# KiCad board mekanical HS.kicad_pcb (continued)
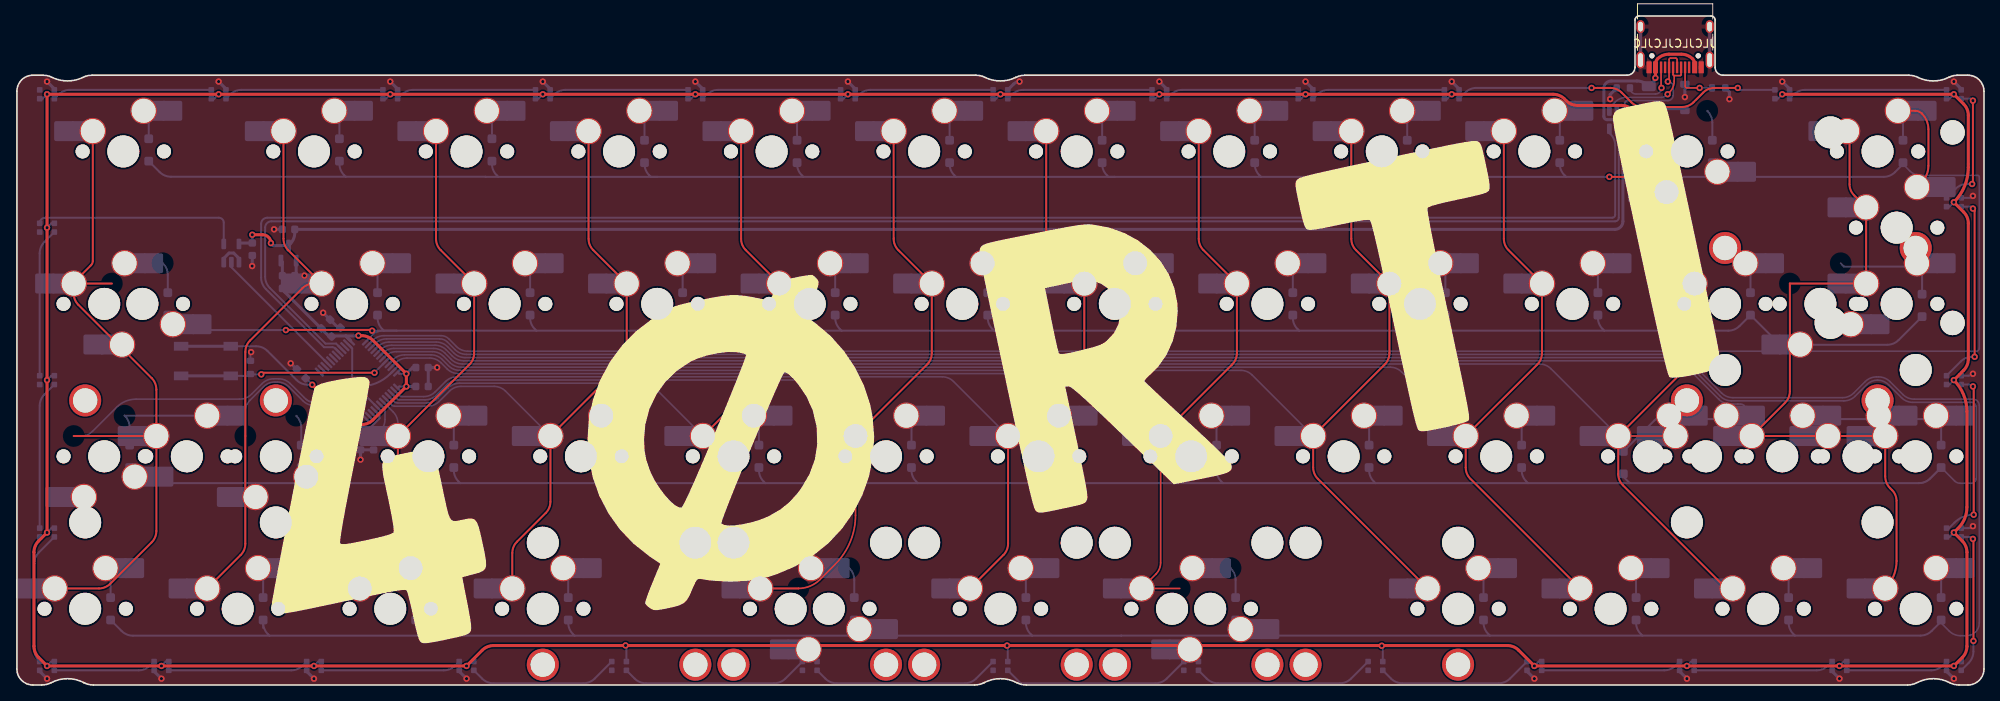
[diagram p0: board, top side]
## Routing (per net, layer and track width the routed paths; a pad name or vN(x,y) marks a point on that pad's centre or on a via; arc(x,y) is an arc through that point)
+3V3: length 74.2
  Top w0.381: v1(42.66,43.66) 43.04,43.66 arc(43.81,43.5) 44.46,43.07 v1(48.64,38.89) v1(48.64,37.31) 44.46,33.13 arc(43.81,32.7) 43.04,32.54 v1(42.66,32.54) arc(41.92,32.69) 41.3,33.11 v1(36.88,37.52)
  Bottom w0.25: v1(36.88,37.52) 37.31,37.1 U3.24 ; v1(36.88,37.52) 36.34,37.52 arc(35.58,37.67) 34.93,38.11 31.29,41.75 arc(30.64,42.18) 29.88,42.33 SW2.1 ; v1(36.88,37.52) C5.1 ; v1(42.66,32.54) 42.66,31.19 C8.1 45.28,33.31 45.28,33.7 U3.9 ; U3.48 47.75,38.89 v1(48.64,38.89) ; v1(48.64,37.31) 47.75,37.31 U3.1
  Bottom w0.381: SW2.1 SW2.1 ; v1(48.64,37.31) C9.1 ; C7.1 49.41,39.67 v1(48.64,38.89) ; 41.08,43.62 41.66,43.05 ; 41.08,43.62 41.69,43.02 ; 41.08,43.62 42.62,43.62 v1(42.66,43.66) ; 41.08,43.62 39.37,43.62 C6.1 39,43.55 33.15,49.4 C3.1 33.15,49.56 C2.2 33.15,52.86 U2.2
+5V: length 846.9
  Top w0.381: v1(202.99,70.64) 201.79,71.84 arc(201.15,72.28) 200.38,72.43 194.89,72.43 arc(194.13,72.58) 193.48,73.01 193.26,73.23 arc(192.61,73.67) 191.85,73.82 v1(179.18,73.82) v1(3.76,73.82) v1(3.76,57.15) v1(3.76,38.1) v1(3.76,19.05) 2.72,18 arc(2.28,17.35) 2.13,16.59 2.13,4.84 arc(2.28,4.08) 2.72,3.43 v1(3.76,2.38) v1(56.15,2.38) 58.11,4.34 arc(58.76,4.78) 59.53,4.93 186.12,4.93 arc(186.89,4.78) 187.54,4.34 v1(189.5,2.38) v1(241.89,2.38) 242.93,3.43 arc(243.37,4.08) 243.52,4.84 243.52,16.59 arc(243.37,17.35) 242.93,18 v1(241.89,19.05) 242.43,19.59 arc(243.24,20.8) 243.52,22.23 243.52,34.16 arc(243.1,36.29) v1(241.89,38.1) 243.11,39.32 arc(243.54,39.97) 243.69,40.73 243.69,57.69 arc(243.54,58.46) 243.11,59.11 v1(241.89,60.33) arc(243.22,62.32) 243.69,64.68 243.69,65.09 ; 243.69,65.15 243.69,71.18 arc(243.54,71.95) 243.11,72.6 v1(241.89,73.82) v1(220.46,73.82) ; v1(29.4,56.27) 30.68,56.27 arc(31.42,55.96) v1(31.72,55.22)
  Bottom w0.25: LED15.1 241.34,18.5 v1(241.89,19.05) ; LED29.1 209.1,2.93 v1(208.55,2.38) ; v1(122.83,73.82) 122.28,73.27 LED23.1 ; v1(189.5,2.38) 190.05,2.93 LED12.1 ; LED1.1 4.31,57.7 v1(3.76,57.15) ; LED20.1 178.63,73.27 v1(179.18,73.82) ; v1(65.68,73.82) 65.13,73.27 LED25.1 ; LED16.1 241.34,37.55 v1(241.89,38.1) ; v1(241.89,2.38) 242.44,2.93 LED14.1 ; v1(142.67,73.82) 142.12,73.27 LED22.1 ; LED8.1 76.12,4.84 v1(76.01,4.94) ; v1(3.76,38.1) 4.31,38.65 LED2.1 ; LED17.1 241.34,59.78 v1(241.89,60.33) ; v1(3.76,73.82) 3.21,73.27 LED27.1 ; v1(99.82,4.9) 99.93,4.8 LED9.1 ; LED10.1 147.55,4.83 v1(147.47,4.92) ; v1(37.1,2.38) 37.65,2.93 LED6.1 ; LED28.1 123.74,4.83 v1(123.65,4.92) ; v1(3.76,2.38) 4.31,2.93 LED4.1 ; v1(241.89,73.82) 241.34,73.27 LED18.1 ; v1(56.15,2.38) 56.7,2.93 LED7.1 ; LED30.1 103.23,73.27 v1(103.78,73.82) ; v1(46.63,73.82) 46.08,73.27 LED26.1 ; LED21.1 160.38,73.27 v1(160.93,73.82) ; v1(227.6,2.38) 228.15,2.93 LED13.1 ; v1(18.05,2.38) 18.6,2.93 LED5.1 ; v1(25.19,73.82) 24.64,73.27 LED31.1 ; v1(170.44,4.9) 170.57,4.78 LED11.1 ; v1(84.73,73.82) 84.18,73.27 LED24.1 ; v1(3.76,19.05) 4.31,19.6 LED3.1 ; v1(220.46,73.82) 219.91,73.27 LED19.1
  Bottom w0.381: D_PWR1.1 208.05,72.03 F1.2 203.58,72.03 203.58,72.02 arc(203.15,71.37) 202.99,70.61 ; 27.73,55.11 27.84,55.23 C12.2 29.39,56.27 arc(29.39,56.27) v1(29.4,56.27) ; v1(202.99,70.64) arc(202.85,69.91) 202.43,69.29 201.15,68 arc(200.71,67.35) 200.56,66.59 200.56,57.94 arc(200.26,57.23) 199.55,56.94 C1.2 34.7,56.52 arc(34.55,55.75) 34.11,55.1 U2.3 32.03,54.91 arc(31.82,55) v1(31.72,55.22)
GND: length 93.1
  Bottom w0.2: U3.47 46.65,38.91
  Bottom w0.25: 42.38,37.32 42.52,37.17 ; 42.38,37.32 42.84,37.32 arc(44.88,37.72) 46.62,38.88 U3.47 ; 42.38,37.32 40.28,37.32 ; 42.52,37.17 U3.8 ; 42.52,37.17 43.1,36.6 43.1,36.59 ; LED17.3 244.03,60.88 v1(244.27,61.12) ; U3.23 38.69,37.32 40.28,37.32 ; 40.28,37.32 40.28,37.31 v1(41.21,37.31) arc(41.7,38.04) 41.87,38.9 41.87,42.07 U3.35 ; v1(29.25,41.6) 29.16,41.51 R6.2 ; LED16.3 243.68,38.65 arc(244,38.71) v1(244.27,38.89) ; LED15.3 243.68,19.6 arc(244,19.66) v1(244.27,19.84)
  Bottom w0.381: v1(56.15,0.79) 55.32,1.62 arc(55.26,1.72) LED7.3 ; v1(84.73,75.41) 85.55,74.58 arc(85.62,74.48) LED24.3 ; v1(227.6,0.79) 226.77,1.62 arc(226.71,1.72) LED13.3 ; v1(3.76,75.41) 4.59,74.58 arc(4.65,74.48) LED27.3 ; v1(25.19,75.41) 26.02,74.58 arc(26.09,74.48) LED31.3 ; C6.2 40.12,44.65 C4.2 39.11,45.65 v1(38.24,46.52) ; v1(103.78,75.41) 104.6,74.58 arc(104.67,74.48) LED30.3 ; C3.2 34.7,49.56 C2.1 ; v1(201.41,70.64) 200.48,70.64 199.82,69.98 U1.2 ; J2.S1 J2.S1 ; v1(37.1,0.79) 36.27,1.62 arc(36.21,1.72) LED6.3 ; v1(220.46,75.41) 221.28,74.58 arc(221.35,74.48) LED19.3 ; R2.2 198.97,73.79 v1(198.97,73.22) ; U2.1 34.88,51.32 C2.1 ; J2.S1 J2.S1 ; C12.1 29.39,52.37 v1(29.38,52.35) ; R1.2 213.86,74.1 v1(213.86,73.21) ; v1(189.5,0.79) 188.67,1.62 arc(188.61,1.72) LED12.3 ; C2.1 35.9,51.15 v1(35.91,51.16) ; C5.2 34.96,39.44 v1(34.19,40.21) ; v1(32.11,56.94) 32.12,56.94 C1.1 ; v1(179.18,75.41) 180.01,74.58 arc(180.07,74.48) LED20.3 ; v1(42.91,28.16) 42.91,28.16 C8.2 44.53,29.39 C13.2 ; v1(160.93,75.41) 161.75,74.58 arc(161.82,74.48) LED21.3 ; v1(65.68,75.41) 66.5,74.58 arc(66.57,74.48) LED25.3 ; v1(208.55,0.79) 207.72,1.62 arc(207.66,1.72) LED29.3 ; U4.3 25.83,53.31 26.49,53.98 27.07,53.98 27.73,53.31 27.73,52.84 ; v1(241.89,75.41) 242.72,74.58 arc(242.78,74.48) LED18.3 ; LED23.3 124.47,75.1 arc(124.81,75.33) v1(125.21,75.41) ; v1(3.76,0.79) 2.93,1.62 arc(2.87,1.72) LED4.3 ; v1(52.48,39.67) 52.47,39.67 C7.2 C9.2 ; v1(46.63,75.41) 47.45,74.58 arc(47.52,74.48) LED26.3 ; v1(241.89,0.79) 241.06,1.62 arc(241,1.72) LED14.3 ; v1(142.67,75.41) 143.5,74.58 arc(143.56,74.48) LED22.3 ; v1(18.05,0.79) 17.22,1.62 arc(17.16,1.72) LED5.3 ; 208.3,74.78 D_PWR1.2 208.3,73.47 v1(208.3,73.47)
VBUS: length 22.4
  Top w0.381: J2.A4 209.53,77.62 arc(209.46,77.95) 209.27,78.24 arc(208.62,78.67) 207.85,78.82 206.3,78.82 arc(205.53,78.67) 204.88,78.24 arc(204.69,77.95) 204.63,77.62 J2.A9 204.63,75.87 v1(204.61,75.86)
  Bottom w0.381: v1(204.61,75.86) 204.61,75.65 F1.1 203.72,74.89 arc(203.07,75.33) 202.31,75.48 199.1,75.48 arc(198.45,75.21) 198.18,74.56 198.18,71.04 arc(198.3,70.76) 198.58,70.64 199.66,70.64 199.82,70.8 U1.5
/CC1: length 5.8
  Top w0.2: v1(210.14,74.61) 208.55,74.61 arc(208.39,74.68) 208.33,74.84 J2.A5
  Bottom w0.2: v1(210.14,74.61) R1.1
/CC2: length 7.4
  Top w0.2: J2.B5 205.33,74.66 v1(205.38,74.61)
  Bottom w0.2: v1(205.38,74.61) arc(205.15,74.07) 204.61,73.85 202.2,73.85 arc(201.66,74.07) R2.1
BOOT0: length 26.5
  Top w0.25: v1(44.66,39.02) 30.72,39.02 v1(30.52,38.82)
  Bottom w0.2: 45.17,39.55 44.66,39.04 v1(44.66,39.02)
  Bottom w0.25: v1(30.52,38.82) 29.21,38.82 R6.1 28.93,38.63 SW2.2 ; 45.17,39.55 U3.44
  Bottom w0.381: SW2.2 SW2.2
COL0: length 121.5
  Top w0.25: 7.1,50.17 11.86,50.17 ; 7.1,50.17 7.1,48.91 arc(7.25,48.15) 7.68,47.5 16.83,38.35 arc(17.26,37.7) 17.42,36.94 MXshift2.25.1 ; 7.1,50.17 arc(7.12,50.29) 7.19,50.39 9.25,52.45 arc(9.42,52.7) 9.48,53 MX1.1 ; 7.1,31.12 MXshift2.25.1 ; MXshift2.25.1 17.42,19.24 arc(17.26,18.48) 16.83,17.83 11.65,12.65 arc(11,12.22) 10.24,12.07 MX37.1
  Bottom w0.2: U3.22 37.64,35.56 arc(37.39,35.39) 37.1,35.34 37.01,35.34 36.82,35.36 36.62,35.41 36.43,35.49 36.25,35.6 36.08,35.73 35.88,35.92 ; 7.1,31.12 8.03,31.12 arc(8.79,31.27) 9.44,31.7 12.46,34.72 arc(13.57,35.46) 14.88,35.72 27.77,35.72 arc(28.61,35.88) 29.32,36.36 30.63,37.67 arc(31.28,38.11) 32.05,38.26 32.71,38.26 arc(33.47,38.11) 34.12,37.67 35.89,35.91
COL1: length 82.5
  Top w0.25: MX2.1 33.29,55.76 arc(33.44,54.99) 33.88,54.34 38.05,50.17 37.06,50.17 arc(36.3,50.01) 35.65,49.58 29.11,43.04 arc(28.68,42.4) 28.53,41.63 28.53,17.66 arc(28.38,16.89) 27.94,16.24 MX38.1
  Bottom w0.2: 28.53,31.12 28.53,34.17 arc(28.68,34.94) 29.11,35.59 30.8,37.27 arc(31.45,37.71) 32.21,37.86 32.54,37.86 arc(33.31,37.71) 33.96,37.27 35.72,35.51 arc(36.37,35.08) 37.13,34.93 37.59,34.93 arc(37.7,34.95) 37.8,35.02 U3.21
COL2: length 70.5
  Top w0.25: MX3.1 52.34,55.76 arc(52.49,54.99) 52.93,54.34 57.1,50.17 57.1,41.47 arc(56.95,40.7) 56.52,40.05 MX27.1 47.58,16.03 arc(47.43,15.26) 46.99,14.62 45.03,12.65 arc(44.38,12.22) 43.61,12.07 MX39.1
  Bottom w0.2: MX27.1 47.58,32.7 arc(47.43,33.47) 46.99,34.12 U3.6
COL3: length 88.9
  Top w0.25: MX4.1 71.39,55.76 arc(71.54,54.99) 71.98,54.34 76.15,50.17 76.15,41.47 arc(76,40.7) 75.57,40.05 MX28.1 66.63,22.91 arc(66.48,22.15) 66.04,21.5 62.45,17.91 arc(62.02,17.26) 61.87,16.49 MX41.1
  Bottom w0.2: MX28.1 61.01,36.73 arc(60.37,37.16) 59.6,37.31 55.44,37.31 arc(54.68,37.16) 54.03,36.73 52.73,35.42 arc(52.08,34.99) 51.31,34.84 47.13,34.84 arc(46.99,34.87) 46.87,34.95 U3.5
COL4: length 86.8
  Top w0.25: MX5.1 90.44,55.76 arc(90.59,54.99) 91.03,54.34 95.2,50.17 95.2,41.47 arc(95.05,40.7) 94.62,40.05 MX29.1
  Bottom w0.2: MX29.1 79.66,37.13 arc(79.02,37.56) 78.25,37.71 55.28,37.71 arc(54.51,37.56) 53.86,37.13 52.56,35.82 arc(51.91,35.39) 51.15,35.24 47.57,35.24 arc(47.31,35.29) 47.08,35.44 U3.4
COL5: length 132.9
  Top w0.2: MX30.1 104.73,21.21 arc(104.07,17.89) 102.19,15.08 100.29,13.19 arc(99.05,12.36) 97.58,12.07
  Top w0.25: 97.58,12.07 MXsplit2.25(1)1.1 ; MX30.1 113.67,40.05 arc(114.1,40.7) 114.25,41.47 114.25,50.17 110.08,54.34 arc(109.64,54.99) 109.49,55.76 MX6.1
  Bottom w0.2: U3.3 47.49,35.74 arc(47.6,35.67) 47.74,35.64 50.98,35.64 arc(51.75,35.79) 52.39,36.22 53.7,37.53 arc(54.35,37.96) 55.11,38.11 96.9,38.11 arc(97.67,37.96) 98.31,37.53 MX30.1
COL6: length 145.5
  Top w0.25: MX42.1 123.19,16.24 arc(123.63,16.89) 123.78,17.66 MX31.1 132.72,40.05 arc(133.15,40.7) 133.3,41.47 133.3,50.17 129.13,54.34 arc(128.69,54.99) 128.54,55.76 MX7.1
  Bottom w0.2: MX31.1 116.96,37.93 arc(116.32,38.36) 115.55,38.51 54.95,38.51 arc(54.18,38.36) 53.53,37.93 52.23,36.62 arc(51.58,36.19) 50.81,36.04 48.09,36.04 arc(47.92,36.07) 47.78,36.17 47.21,36.74 arc(47.2,36.75) U3.2
COL7: length 168.7
  Top w0.2: MX32.1 142.83,15.27 arc(142.68,14.51) 142.24,13.86 MXsplit2.75(1)1.1 145.21,12.07
  Top w0.25: MX32.1 151.77,40.05 arc(152.2,40.7) 152.35,41.47 152.35,50.17 148.18,54.34 arc(147.74,54.99) 147.59,55.76 MX8.1
  Bottom w0.2: MX32.1 135.61,38.33 arc(134.97,38.76) 134.2,38.91 55.14,38.91 arc(54.38,39.07) 53.73,39.5 52.96,40.27 arc(52.31,40.7) 51.54,40.86 48.72,40.86 arc(47.95,40.7) 47.3,40.27 U3.46
COL8: length 188.4
  Top w0.25: MX43.1 162.46,25.77 arc(162.03,26.42) 161.88,27.18 MX33.1 170.82,40.05 arc(171.25,40.7) 171.4,41.47 171.4,50.17 167.23,54.34 arc(166.79,54.99) 166.64,55.76 MX9.1
  Bottom w0.2: U3.45 46.99,40.67 arc(47.64,41.1) 48.41,41.26 51.71,41.26 arc(52.47,41.1) 53.12,40.67 53.89,39.9 arc(54.54,39.47) 55.31,39.31 152.85,39.31 arc(153.62,39.16) 154.26,38.73 MX33.1
COL9: length 208.2
  Top w0.25: MX10.1 185.69,55.76 arc(185.84,54.99) 186.28,54.34 190.45,50.17 190.45,41.47 arc(190.3,40.7) 189.87,40.05 MX34.1 180.93,27.18 arc(181.08,26.42) 181.51,25.77 MX44.1
  Bottom w0.2: MX34.1 172.91,39.13 arc(172.27,39.56) 171.5,39.71 55.47,39.71 arc(54.71,39.87) 54.06,40.3 53.29,41.07 arc(52.64,41.5) 51.87,41.66 47.39,41.66 arc(46.63,41.5) 45.98,41.07 U3.43
COL10: length 235.4
  Top w0.2: MX35.1 MX40.1
  Top w0.25: 204.74,69.22 204.74,55.76 arc(204.89,54.99) 205.33,54.34 209.5,50.17 209.5,41.47 arc(209.35,40.7) 208.92,40.05 MX35.1 199.98,26.37 arc(200.13,25.61) 200.56,24.96 213.45,12.07 MX45.1
  Bottom w0.2: MX35.1 191.56,39.53 arc(190.92,39.96) 190.15,40.11 55.64,40.11 arc(54.87,40.27) 54.23,40.7 53.45,41.47 arc(52.81,41.9) 52.04,42.06 47.09,42.06 arc(46.32,41.9) 45.67,41.47 U3.42
COL11: length 264.5
  Top w0.25: 228.86,69.22 228.86,62.59 arc(229.01,61.83) 229.44,61.18 MXISO1.1 230.93,50.17 221.41,50.17 221.41,36.71 arc(221.26,35.94) 220.82,35.29 MXshift2.75.1 MX36.1 MX47.1 233.32,26.08 arc(233.48,25.28) 233.93,24.59 234.18,24.34 arc(234.59,23.73) 234.73,23.02 234.73,15.48 arc(234.36,13.63) MX46.1
  Bottom w0.2: U3.41 45.37,41.87 arc(46.01,42.3) 46.78,42.46 52.21,42.46 arc(52.97,42.3) 53.62,41.87 54.39,41.1 arc(55.04,40.67) 55.81,40.51 206.96,40.51 arc(207.66,40.37) 208.26,39.98 212.52,35.72 212.55,35.69 arc(213.2,35.25) 213.96,35.1 213.96,35.1 214.29,35.1 214.29,35.1 214.9,35.1 214.9,35.11 215.26,35.11 arc(215.49,35.06) 215.69,34.93 arc(216.4,33.87) 216.65,32.63 MXshift2.75.1
D_N: length 201.4
  Bottom w0.25: U1.3 198.87,68.99 199.01,68.85 arc(199.44,68.2) 199.59,67.43 199.59,58.74 arc(199.49,58.49) 199.25,58.39 31.27,58.39 arc(30.73,58.17) 30.5,57.62 30.5,50.9 arc(30.65,50.13) 31.09,49.48 38.35,42.22 39.37,42.22 arc(39.58,42.17) 39.77,42.05 U3.32
D_P: length 201
  Bottom w0.25: U3.33 39.86,42.67 38.54,42.67 31.59,49.62 arc(31.15,50.27) 31,51.03 31,57.15 arc(31.23,57.71) 31.79,57.94 199.6,57.94 arc(199.91,58.07) 200.04,58.39 200.04,67.43 arc(200.2,68.2) 200.63,68.85 200.77,68.99 U1.1
D_USB_N: length 13.7
  Top w0.2: 206.96,76.15 206.96,75.47 arc(206.81,74.71) 206.38,74.06 v1(206.14,73.82) ; 206.96,76.15 207.71,76.15 arc(207.79,76.19) 207.83,76.27 J2.B7 ; 206.96,76.15 arc(206.87,76.2) 206.83,76.29 J2.A7
  Bottom w0.2: U1.4 198.87,72.13 199.58,72.84 arc(200.23,73.27) 200.99,73.43 205.38,73.43 arc(205.71,73.49) 206,73.68 v1(206.14,73.82)
D_USB_P: length 14.6
  Top w0.2: J2.A6 207.33,78.15 arc(207.27,78.28) 207.15,78.33 206.5,78.33 arc(206.38,78.28) 206.33,78.15 J2.B6 206.33,75.56 v1(206.17,75.41)
  Bottom w0.2: 206.84,73.68 206.84,74.73 arc(206.64,75.21) v1(206.17,75.41) ; U1.6 200.77,72.78 201.01,73.03 206.17,73.03 arc(206.63,73.22) 206.83,73.68
NRST: length 4.8
  Bottom w0.2: U3.7 45.97,34.44 45.97,33.18 arc(45.81,32.41) 45.38,31.76 C13.1
RGB MCU: length 18.1
  Bottom w0.25: U3.28 26.78,52.21 U4.2 26.78,52.39
rgb underglow: length 26.4
  Bottom w0.25: U4.4 25.83,57.77 arc(25.65,58.21) 25.21,58.39 3.54,58.39 arc(3.05,58.19) LED1.4
ROW0: length 476.5
  Top w0.25: v1(201.41,63.5) v1(198.87,63.5)
  Bottom w0.2: U3.38 44.44,43.07 arc(45.09,43.5) 45.86,43.66 52.98,43.66 arc(53.49,43.55) 53.93,43.26 54.89,42.3 arc(55.54,41.87) 56.3,41.71 244.71,41.71 arc(244.96,41.82) 245.06,42.07 245.06,63.5 arc(245.01,63.63) 244.88,63.68 237.77,63.68 arc(237.01,63.83) 236.36,64.27 235.54,65.09 D12.1
  Bottom w0.25: v1(201.41,63.5) 212.52,63.5 ; 212.52,63.5 233.12,63.5 arc(233.89,63.65) 234.54,64.09 235.54,65.09 ; 212.52,63.5 212.31,63.71 arc(211.88,64.36) 211.73,65.12 D11.1 ; 98.22,63.5 117.27,63.5 ; 98.22,63.5 79.96,63.5 ; 98.22,63.5 98.01,63.71 arc(97.58,64.36) 97.43,65.12 D5.1 ; 117.27,63.5 137.11,63.5 ; 117.27,63.5 117.06,63.71 arc(116.63,64.36) 116.48,65.12 D6.1 ; 155.37,63.5 174.42,63.5 ; 155.37,63.5 155.16,63.71 arc(154.73,64.36) 154.58,65.12 D8.1 ; 155.37,63.5 137.11,63.5 ; 174.42,63.5 193.47,63.5 ; 174.42,63.5 174.21,63.71 arc(173.78,64.36) 173.63,65.12 D9.1 ; D3.1 59.33,65.12 arc(59.48,64.36) 59.91,63.71 60.12,63.5 ; D4.1 78.38,65.12 arc(78.53,64.36) 78.96,63.71 79.17,63.5 79.96,63.5 ; 137.11,63.5 136.32,63.5 136.11,63.71 arc(135.68,64.36) 135.53,65.12 D7.1 ; D2.1 40.28,65.13 arc(40.43,64.37) 40.86,63.72 41.07,63.51 ; 41.07,63.51 58.53,63.51 58.54,63.5 60.12,63.5 ; 41.07,63.51 19.24,63.51 arc(18.48,63.66) 17.83,64.1 D1.1 ; 193.47,63.5 193.26,63.71 arc(192.83,64.36) 192.68,65.12 D10.1 ; 193.47,63.5 v1(198.87,63.5) ; 60.12,63.5 79.96,63.5
ROW1: length 248
  Top w0.25: v1(44.36,44.27) 44.26,44.38 33.61,44.38 v1(33.59,44.36)
  Bottom w0.2: U3.37 44.36,43.69 arc(45.01,44.12) 45.77,44.27 45.83,44.27
  Bottom w0.25: 160.13,44.27 179.18,44.27 ; 160.13,44.27 159.92,44.48 arc(159.49,45.13) 159.34,45.9 D20.1 ; 160.13,44.27 140.29,44.27 ; 179.18,44.27 198.23,44.27 ; 179.18,44.27 178.97,44.48 arc(178.54,45.13) 178.39,45.9 D21.1 ; 83.93,44.27 102.98,44.27 ; 83.93,44.27 64.88,44.27 ; 83.93,44.27 83.72,44.48 arc(83.29,45.13) 83.14,45.9 D16.1 ; 102.98,44.27 102.77,44.48 arc(102.34,45.13) 102.19,45.9 D17.1 ; 102.98,44.27 122.03,44.27 ; 198.23,44.27 213.71,44.27 arc(214.47,44.43) 215.12,44.86 D23.1 219.61,43.1 arc(220.26,42.67) 221.03,42.52 233.57,42.52 arc(234.33,42.67) 234.98,43.1 D24.1 ; 198.23,44.27 198.02,44.48 arc(197.59,45.13) 197.44,45.9 D22.1 ; 122.03,44.27 121.82,44.48 arc(121.39,45.13) 121.24,45.9 D18.1 ; 122.03,44.27 140.29,44.27 ; 64.88,44.27 64.67,44.48 arc(64.24,45.13) 64.09,45.9 D15.1 ; 64.88,44.27 47.42,44.27 ; 140.29,44.27 141.08,44.27 140.87,44.48 arc(140.44,45.13) 140.29,45.9 D19.1 ; 18.84,46.04 19.94,44.94 arc(20.59,44.51) 21.35,44.36 31.45,44.36 v1(33.59,44.36) ; 47.42,44.27 v1(44.36,44.27) ; 47.42,44.27 45.83,44.27 45.62,44.48 arc(45.19,45.13) 45.04,45.9 D14.1
ROW2: length 471.9
  Bottom w0.2: U3.40 45.06,42.27 arc(45.71,42.7) 46.47,42.86 52.37,42.86 arc(53.14,42.7) 53.79,42.27 54.56,41.5 arc(55.21,41.07) 55.97,40.91 207.11,40.91 arc(207.83,40.77) 208.44,40.37 212.71,36.09 arc(213.36,35.66) 214.13,35.51 228.15,35.51 arc(228.91,35.66) 229.56,36.09 231.01,37.54 arc(231.63,37.95) 232.36,38.1 ; 232.33,38.1 arc(233.09,37.95) 233.74,37.51 235.35,35.9 arc(236,35.47) 236.77,35.32 244.1,35.32 arc(244.5,35.15) 244.66,34.76 244.66,25.79 arc(244.49,25.38) 244.08,25.21 242.66,25.21 arc(242.29,25.29) 241.98,25.49 D36.1 238.92,25.8 arc(238.27,25.36) 237.51,25.21
  Bottom w0.25: 93.46,25.22 112.51,25.22 ; 93.46,25.22 74.41,25.22 ; 93.46,25.22 93.25,25.43 arc(92.81,26.08) 92.66,26.85 D29.1 ; 112.51,25.22 131.56,25.22 ; 112.51,25.22 112.3,25.43 arc(111.86,26.08) 111.71,26.85 D30.1 ; D28.1 73.61,26.85 arc(73.76,26.08) 74.2,25.43 74.41,25.22 ; 36.31,25.22 55.36,25.22 ; 36.31,25.22 16.67,25.22 arc(15.91,25.38) 15.26,25.81 14.08,26.99 ; 36.31,25.22 36.1,25.43 arc(35.66,26.08) 35.51,26.85 D26.1 ; 55.36,25.22 74.41,25.22 ; 55.36,25.22 55.15,25.43 arc(54.71,26.08) 54.56,26.85 D27.1 ; 150.61,25.22 169.66,25.22 ; 150.61,25.22 131.56,25.22 ; 150.61,25.22 150.4,25.43 arc(149.96,26.08) 149.81,26.85 D32.1 ; 169.66,25.22 169.45,25.43 arc(169.01,26.08) 168.86,26.85 D33.1 ; 169.66,25.22 188.71,25.22 ; D36.1 238.94,25.81 arc(238.29,25.38) 237.52,25.22 201.41,25.22 ; 131.56,25.22 131.35,25.43 arc(130.91,26.08) 130.76,26.85 D31.1 ; D35.1 200.61,26.02 201.41,25.22 ; D34.1 187.91,26.85 arc(188.06,26.08) 188.5,25.43 188.71,25.22 ; 188.71,25.22 201.41,25.22
ROW3: length 490.5
  Bottom w0.2: 240.3,7.94 240.3,7.75 241.3,6.75 arc(241.95,6.31) 242.72,6.16 243.48,6.16 arc(244.6,6.63) 245.06,7.75 245.06,34.93 arc(244.83,35.49) 244.27,35.72 236.93,35.72 arc(236.17,35.87) 235.52,36.3 233.91,37.91 arc(233.26,38.35) 232.49,38.5 232.23,38.5 arc(231.47,38.35) 230.82,37.91 229.39,36.49 arc(228.75,36.06) 227.98,35.91 214.29,35.91 arc(213.53,36.06) 212.88,36.49 208.48,40.89 arc(208.01,41.2) 207.46,41.31 207.26,41.31 207.11,41.31 56.14,41.31 arc(55.37,41.47) 54.72,41.9 53.76,42.86 arc(53.32,43.15) 52.8,43.26 46.17,43.26 arc(45.4,43.1) 44.75,42.67 U3.39
  Bottom w0.25: 183.94,6.17 202.99,6.17 ; 183.94,6.17 152.99,6.17 ; 183.94,6.17 183.74,6.38 arc(183.3,7.03) 183.15,7.8 D43.1 ; 202.99,6.17 222.04,6.17 ; 202.99,6.17 202.79,6.38 arc(202.35,7.03) 202.2,7.8 D44.1 ; 50.59,6.16 50.39,6.37 arc(49.95,7.02) 49.8,7.78 D39.1 ; 50.59,6.16 69.64,6.16 ; 50.59,6.16 31.54,6.16 ; 126.79,6.16 126.59,6.37 arc(126.15,7.02) 126,7.78 D42.1 ; 126.79,6.16 105.36,6.16 ; 126.79,6.16 137.91,6.16 137.92,6.17 152.99,6.17 ; D37.1 13.08,6.75 arc(13.73,6.31) 14.49,6.16 31.54,6.16 ; 222.04,6.17 221.84,6.38 arc(221.4,7.03) 221.25,7.8 D45.1 ; 222.04,6.17 237.71,6.17 arc(238.47,6.33) 239.12,6.76 240.3,7.94 ; 105.36,6.16 69.64,6.16 ; 105.36,6.16 105.15,6.37 arc(104.72,7.02) 104.57,7.78 D40.1 ; 152.99,6.17 152.78,6.38 arc(152.35,7.03) 152.19,7.8 D47.1 ; D41.1 68.85,7.78 arc(69,7.02) 69.44,6.37 69.64,6.16 ; 30.75,7.14 D38.1 30.75,7.78 arc(30.9,7.02) 31.34,6.37 31.54,6.16
Net-(D1-A): length 3.7
  Bottom w0.25: D1.2 16.46,70.22 arc(16.3,71.05) MX1.2
Net-(D2-A): length 3.1
  Bottom w0.25: 40.28,68.87 40.28,70.29 arc(40.12,71.06) 39.69,71.71 MX2.2
Net-(D3-A): length 3.1
  Bottom w0.25: MX3.2 58.74,71.71 arc(59.17,71.06) 59.33,70.29 59.33,68.87
Net-(D4-A): length 3.3
  Bottom w0.25: MX4.2 77.79,71.71 arc(78.22,71.06) 78.38,70.29 78.38,68.68
Net-(D5-A): length 3.3
  Bottom w0.25: MX5.2 96.84,71.71 arc(97.27,71.06) 97.43,70.29 97.43,68.68
Net-(D6-A): length 3.3
  Bottom w0.25: MX6.2 115.89,71.71 arc(116.32,71.06) 116.48,70.29 116.48,68.68
Net-(D7-A): length 3.3
  Bottom w0.25: 135.53,68.68 135.53,70.29 arc(135.37,71.06) 134.94,71.71 MX7.2
Net-(D8-A): length 3.3
  Bottom w0.25: 154.58,68.68 154.58,70.29 arc(154.42,71.06) 153.99,71.71 MX8.2
Net-(D9-A): length 3.3
  Bottom w0.25: 173.63,68.68 173.63,70.29 arc(173.47,71.06) 173.04,71.71 MX9.2
Net-(D10-A): length 3.3
  Bottom w0.25: MX10.2 192.09,71.71 arc(192.52,71.06) 192.68,70.29 192.68,68.68
Net-(D11-A): length 3.3
  Bottom w0.25: 211.73,68.68 211.73,70.29 arc(211.57,71.06) 211.14,71.71 211.09,71.76
Net-(D12-A): length 16.2
  Top w0.25: MXISO1.2 237.84,62.79 arc(238.49,63.75) 238.71,64.89 238.71,69.43 arc(238.5,70.5) 237.89,71.41 arc(237.51,71.67) 237.06,71.76 MX12.2
  Bottom w0.25: 235.54,68.68 235.54,70.29 arc(235.39,71.06) 234.95,71.71 MX12.2
Net-(D13-A): length 8.6
  Bottom w0.25: 13.45,52.71 18.21,52.71 18.26,52.66 arc(18.69,52.01) 18.84,51.24 18.84,49.03
Net-(D14-A): length 3.9
  Bottom w0.25: 44.4,52.71 44.45,52.66 arc(44.89,52.01) 45.04,51.24 45.04,49.03
Net-(D15-A): length 3.9
  Bottom w0.25: 64.09,49.03 64.09,51.24 arc(63.94,52.01) 63.5,52.66 63.45,52.71
Net-(D16-A): length 3.9
  Bottom w0.25: 82.5,52.71 82.55,52.66 arc(82.99,52.01) 83.14,51.24 83.14,49.03
Net-(D17-A): length 3.9
  Bottom w0.25: 101.55,52.71 101.6,52.66 arc(102.04,52.01) 102.19,51.24 102.19,49.03
Net-(D18-A): length 3.9
  Bottom w0.25: 120.6,52.71 120.65,52.66 arc(121.09,52.01) 121.24,51.24 121.24,49.03
Net-(D19-A): length 3.9
  Bottom w0.25: 140.29,49.03 140.29,51.24 arc(140.14,52.01) 139.7,52.66 139.65,52.71
Net-(D20-A): length 3.9
  Bottom w0.25: 159.34,49.03 159.34,51.24 arc(159.19,52.01) 158.75,52.66 158.7,52.71
Net-(D21-A): length 3.9
  Bottom w0.25: 178.39,49.03 178.39,51.24 arc(178.24,52.01) 177.8,52.66 177.75,52.71
Net-(D22-A): length 3.9
  Bottom w0.25: 196.8,52.71 196.85,52.66 arc(197.29,52.01) 197.44,51.24 197.44,49.03
Net-(D23-A): length 3.9
  Bottom w0.25: 216.49,49.03 216.49,51.24 arc(216.34,52.01) 215.9,52.66 215.85,52.71
Net-(D24-A): length 14.1
  Bottom w0.25: D24.2 237.92,52.07 237.7,52.29 ; 237.7,52.29 228.18,52.29 227.76,52.71 ; 237.7,52.29 237.28,52.29
Net-(D25-A): length 14.2
  Bottom w0.25: D25.2 14.08,32.19 arc(13.93,32.96) 13.5,33.61 13.45,33.66 MXshift2.25.2
Net-(D26-A): length 3.9
  Bottom w0.25: D26.2 35.51,32.19 arc(35.36,32.96) 34.93,33.61 34.88,33.66
Net-(D27-A): length 3.9
  Bottom w0.25: D27.2 54.56,32.19 arc(54.41,32.96) 53.98,33.61 MX27.2
Net-(D28-A): length 3.9
  Bottom w0.25: MX28.2 73.03,33.61 arc(73.46,32.96) 73.61,32.19 D28.2
Net-(D29-A): length 3.9
  Bottom w0.25: MX29.2 92.08,33.61 arc(92.51,32.96) 92.66,32.19 D29.2
Net-(D30-A): length 3.9
  Bottom w0.25: MX30.2 111.13,33.61 arc(111.56,32.96) 111.71,32.19 D30.2
Net-(D31-A): length 3.9
  Bottom w0.25: D31.2 130.76,32.19 arc(130.61,32.96) 130.18,33.61 MX31.2
Net-(D32-A): length 3.9
  Bottom w0.25: MX32.2 149.23,33.61 arc(149.66,32.96) 149.81,32.19 D32.2
Net-(D33-A): length 3.9
  Bottom w0.25: D33.2 168.86,32.19 arc(168.71,32.96) 168.28,33.61 MX33.2
Net-(D34-A): length 3.9
  Bottom w0.25: D34.2 187.91,32.19 arc(187.76,32.96) 187.33,33.61 MX34.2
Net-(D35-A): length 15
  Bottom w0.25: D35.2 204.5,33.07 arc(205.15,33.5) 205.91,33.66 MX35.2 206.75,33.24 213.05,33.24 MX40.2
Net-(D36-A): length 20.9
  Bottom w0.25: D36.2 240.3,32.19 arc(240.15,32.96) 239.71,33.61 MX47.2 239.25,33.24 223.42,33.24 MXshift2.75.2
Net-(D37-A): length 3.9
  Bottom w0.25: D37.2 11.7,13.14 arc(11.55,13.91) 11.11,14.56 MX37.2
Net-(D38-A): length 3.9
  Bottom w0.25: D38.2 30.75,13.14 arc(30.6,13.91) 30.16,14.56 MX38.2
Net-(D39-A): length 3.9
  Bottom w0.25: MX39.2 49.21,14.56 arc(49.65,13.91) 49.8,13.14 D39.2
Net-(D40-A): length 8.6
  Bottom w0.25: 99.17,14.61 103.93,14.61 103.98,14.56 arc(104.42,13.91) 104.57,13.14 D40.2
Net-(D41-A): length 3.9
  Bottom w0.25: D41.2 68.85,13.14 arc(68.7,13.91) 68.26,14.56 MX41.2
Net-(D42-A): length 3.9
  Bottom w0.25: MX42.2 125.41,14.56 arc(125.85,13.91) 126,13.14 D42.2
Net-(D43-A): length 3.9
  Bottom w0.25: MX43.2 182.56,14.56 arc(183,13.91) 183.15,13.14 D43.2
Net-(D44-A): length 3.9
  Bottom w0.25: MX44.2 201.61,14.56 arc(202.05,13.91) 202.2,13.14 D44.2
Net-(D45-A): length 3.9
  Bottom w0.25: D45.2 221.25,13.14 arc(221.1,13.91) 220.66,14.56 MX45.2
Net-(D46-A): length 3.9
  Bottom w0.25: MX46.2 239.71,14.56 arc(240.15,13.91) 240.3,13.14 D46.2
Net-(D47-A): length 8.6
  Bottom w0.25: D47.2 152.19,13.14 arc(152.04,13.91) 151.61,14.56 151.56,14.61 MXsplit2.75(1)1.2
Net-(LED1-DOUT): length 18.6
  Bottom w0.25: LED1.2 3.43,55.36 arc(3,54.71) 2.85,53.94 LED2.4
Net-(LED2-DOUT): length 18.6
  Bottom w0.25: LED2.2 3.43,36.31 arc(3,35.66) 2.85,34.89 LED3.4
Net-(LED3-DOUT): length 16.7
  Bottom w0.25: LED4.4 2.76,3.02 arc(2.33,3.67) 2.18,4.43 2.18,15.17 arc(2.33,15.93) 2.76,16.58 LED3.2
Net-(LED4-DOUT): length 12.8
  Bottom w0.25: LED4.2 15.21,1.83 arc(15.97,1.98) 16.62,2.42 LED5.4
Net-(LED5-DOUT): length 17.6
  Bottom w0.25: LED6.4 35.67,2.42 arc(35.02,1.98) 34.26,1.83 LED5.2
Net-(LED6-DOUT): length 17.6
  Bottom w0.25: LED6.2 53.31,1.83 arc(54.07,1.98) 54.72,2.42 LED7.4
Net-(LED7-DOUT): length 18.8
  Bottom w0.25: LED8.4 72.15,0.8 arc(71.51,0.37) 70.74,0.22 59.51,0.22 arc(58.74,0.37) 58.1,0.8 LED7.2
Net-(LED8-DOUT): length 23.6
  Bottom w0.25: LED8.2 77.15,0.8 arc(77.79,0.37) 78.56,0.22 94.55,0.22 arc(95.32,0.37) 95.97,0.8 LED9.4
Net-(LED10-DIN): length 23.7
  Bottom w0.25: LED10.4 143.59,0.8 arc(142.94,0.37) 142.18,0.22 125.41,0.22 125.34,0.23 LED28.2
Net-(LED10-DOUT): length 22.8
  Bottom w0.25: LED11.4 166.61,0.8 arc(165.96,0.37) 165.2,0.22 150,0.22 arc(149.23,0.37) 148.58,0.8 LED10.2
Net-(LED11-DOUT): length 19.6
  Bottom w0.25: LED12.4 186.45,0.8 arc(185.81,0.37) 185.04,0.22 173.02,0.22 arc(172.25,0.37) 171.6,0.8 LED11.2
Net-(LED12-DOUT): length 17.6
  Bottom w0.25: LED29.4 207.12,2.42 arc(206.47,1.98) 205.71,1.83 LED12.2
Net-(LED13-DIN): length 17.6
  Bottom w0.25: LED29.2 224.76,1.83 arc(225.52,1.98) 226.17,2.42 LED13.4
Net-(LED13-DOUT): length 12.8
  Bottom w0.25: LED13.2 239.04,1.83 arc(239.81,1.98) 240.46,2.42 LED14.4
Net-(LED14-DOUT): length 18.6
  Top w0.25: v1(244.27,18.26) 244.33,18.2 v1(244.33,5.51)
  Bottom w0.25: LED14.2 243.74,2.77 arc(244.18,3.42) 244.33,4.19 v1(244.33,5.51) ; LED15.4 244.03,18.5 v1(244.27,18.26)
Net-(LED15-DOUT): length 21.5
  Top w0.25: v1(244.36,21.28) 244.36,37.08 arc(244.34,37.2) v1(244.27,37.31)
  Bottom w0.25: LED15.2 241.28,19.6 241.96,20.29 arc(243.06,21.02) v1(244.36,21.28) ; LED16.4 243.68,37.55 arc(244,37.49) v1(244.27,37.31)
Net-(LED16-DOUT): length 24.6
  Top w0.25: v1(244.27,59.53) 244.48,59.32 v1(244.48,41.01)
  Bottom w0.25: v1(244.27,59.53) 244.03,59.78 LED17.4 ; LED16.2 242.75,40.43 arc(243.4,40.86) 244.17,41.01 v1(244.48,41.01)
Net-(LED17-DOUT): length 15.9
  Top w0.25: v1(244.17,62.61) 244.27,62.71 v1(244.27,73.03)
  Bottom w0.25: v1(244.17,62.61) 243.53,62.61 arc(242.77,62.46) 242.12,62.02 LED17.2 ; LED18.4 244.03,73.27 v1(244.27,73.03)
Net-(LED18-DOUT): length 20
  Bottom w0.25: LED18.2 223.3,74.37 arc(222.53,74.22) 221.89,73.78 LED19.4
Net-(LED19-DOUT): length 43.2
  Top w0.25: 199.03,74.61 197.4,74.61 arc(197.39,74.61) 197.39,74.62 197.39,74.61 ; v1(196.64,74.61) 198.99,74.61 arc(199.76,74.46) 200.4,74.03 201.61,72.82 arc(202.26,72.38) 203.03,72.23 207.95,72.23 arc(208.72,72.38) 209.37,72.82 210.58,74.03 arc(211.23,74.46) 211.99,74.61 v1(214.9,74.61)
  Bottom w0.25: v1(214.9,74.61) 215.14,74.37 LED19.2 ; LED20.4 180.86,74.03 arc(181.51,74.46) 182.27,74.62 ; v1(196.64,74.61) 182.36,74.61
Net-(LED20-DOUT): length 16.8
  Bottom w0.25: LED21.4 162.35,73.78 arc(163,74.22) 163.77,74.37 LED20.2
Net-(LED21-DOUT): length 16.8
  Bottom w0.25: LED22.4 144.1,73.78 arc(144.75,74.22) 145.51,74.37 LED21.2
Net-(LED22-DOUT): length 18.4
  Bottom w0.25: LED23.4 124.25,73.78 arc(124.9,74.22) 125.67,74.37 LED22.2
Net-(LED23-DOUT): length 17.6
  Bottom w0.25: LED30.4 105.2,73.78 arc(105.85,74.22) 106.62,74.37 LED23.2
Net-(LED24-DIN): length 17.6
  Bottom w0.25: LED24.4 86.15,73.78 arc(86.8,74.22) 87.57,74.37 LED30.2
Net-(LED24-DOUT): length 17.6
  Bottom w0.25: LED25.4 67.1,73.78 arc(67.75,74.22) 68.52,74.37 LED24.2
Net-(LED25-DOUT): length 17.6
  Bottom w0.25: LED26.4 48.05,73.78 arc(48.7,74.22) 49.47,74.37 LED25.2
Net-(LED26-DOUT): length 20
  Bottom w0.25: LED31.4 26.62,73.78 arc(27.27,74.22) 28.04,74.37 LED26.2
Net-(LED27-DIN): length 20
  Bottom w0.25: LED31.2 6.61,74.37 arc(5.84,74.22) 5.19,73.78 LED27.4
Net-(LED28-DIN): length 23.6
  Bottom w0.25: LED9.2 100.96,0.8 arc(101.61,0.37) 102.37,0.22 118.37,0.22 arc(119.13,0.37) 119.78,0.8 LED28.4

## Copper pours and planes (outline as drawn; the poured copper is in the pictures)
GND on Top, Bottom: -7.35,87.31 249.03,87.31 252.21,-7.94 -4.17,-7.94

## Text on the board
B.Silkscreen: stepped | 1.25 | 1.5 | 1.75 | 2.25 | 1 | 2.75 | 7 | concept by xonuss & xezioh | design by calvin0563 | ISO
User.Comments: centre
F.Silkscreen: JLCJLCJLCJLC
